# KiCad board 5wy19_converted.kicad_pcb (continued)
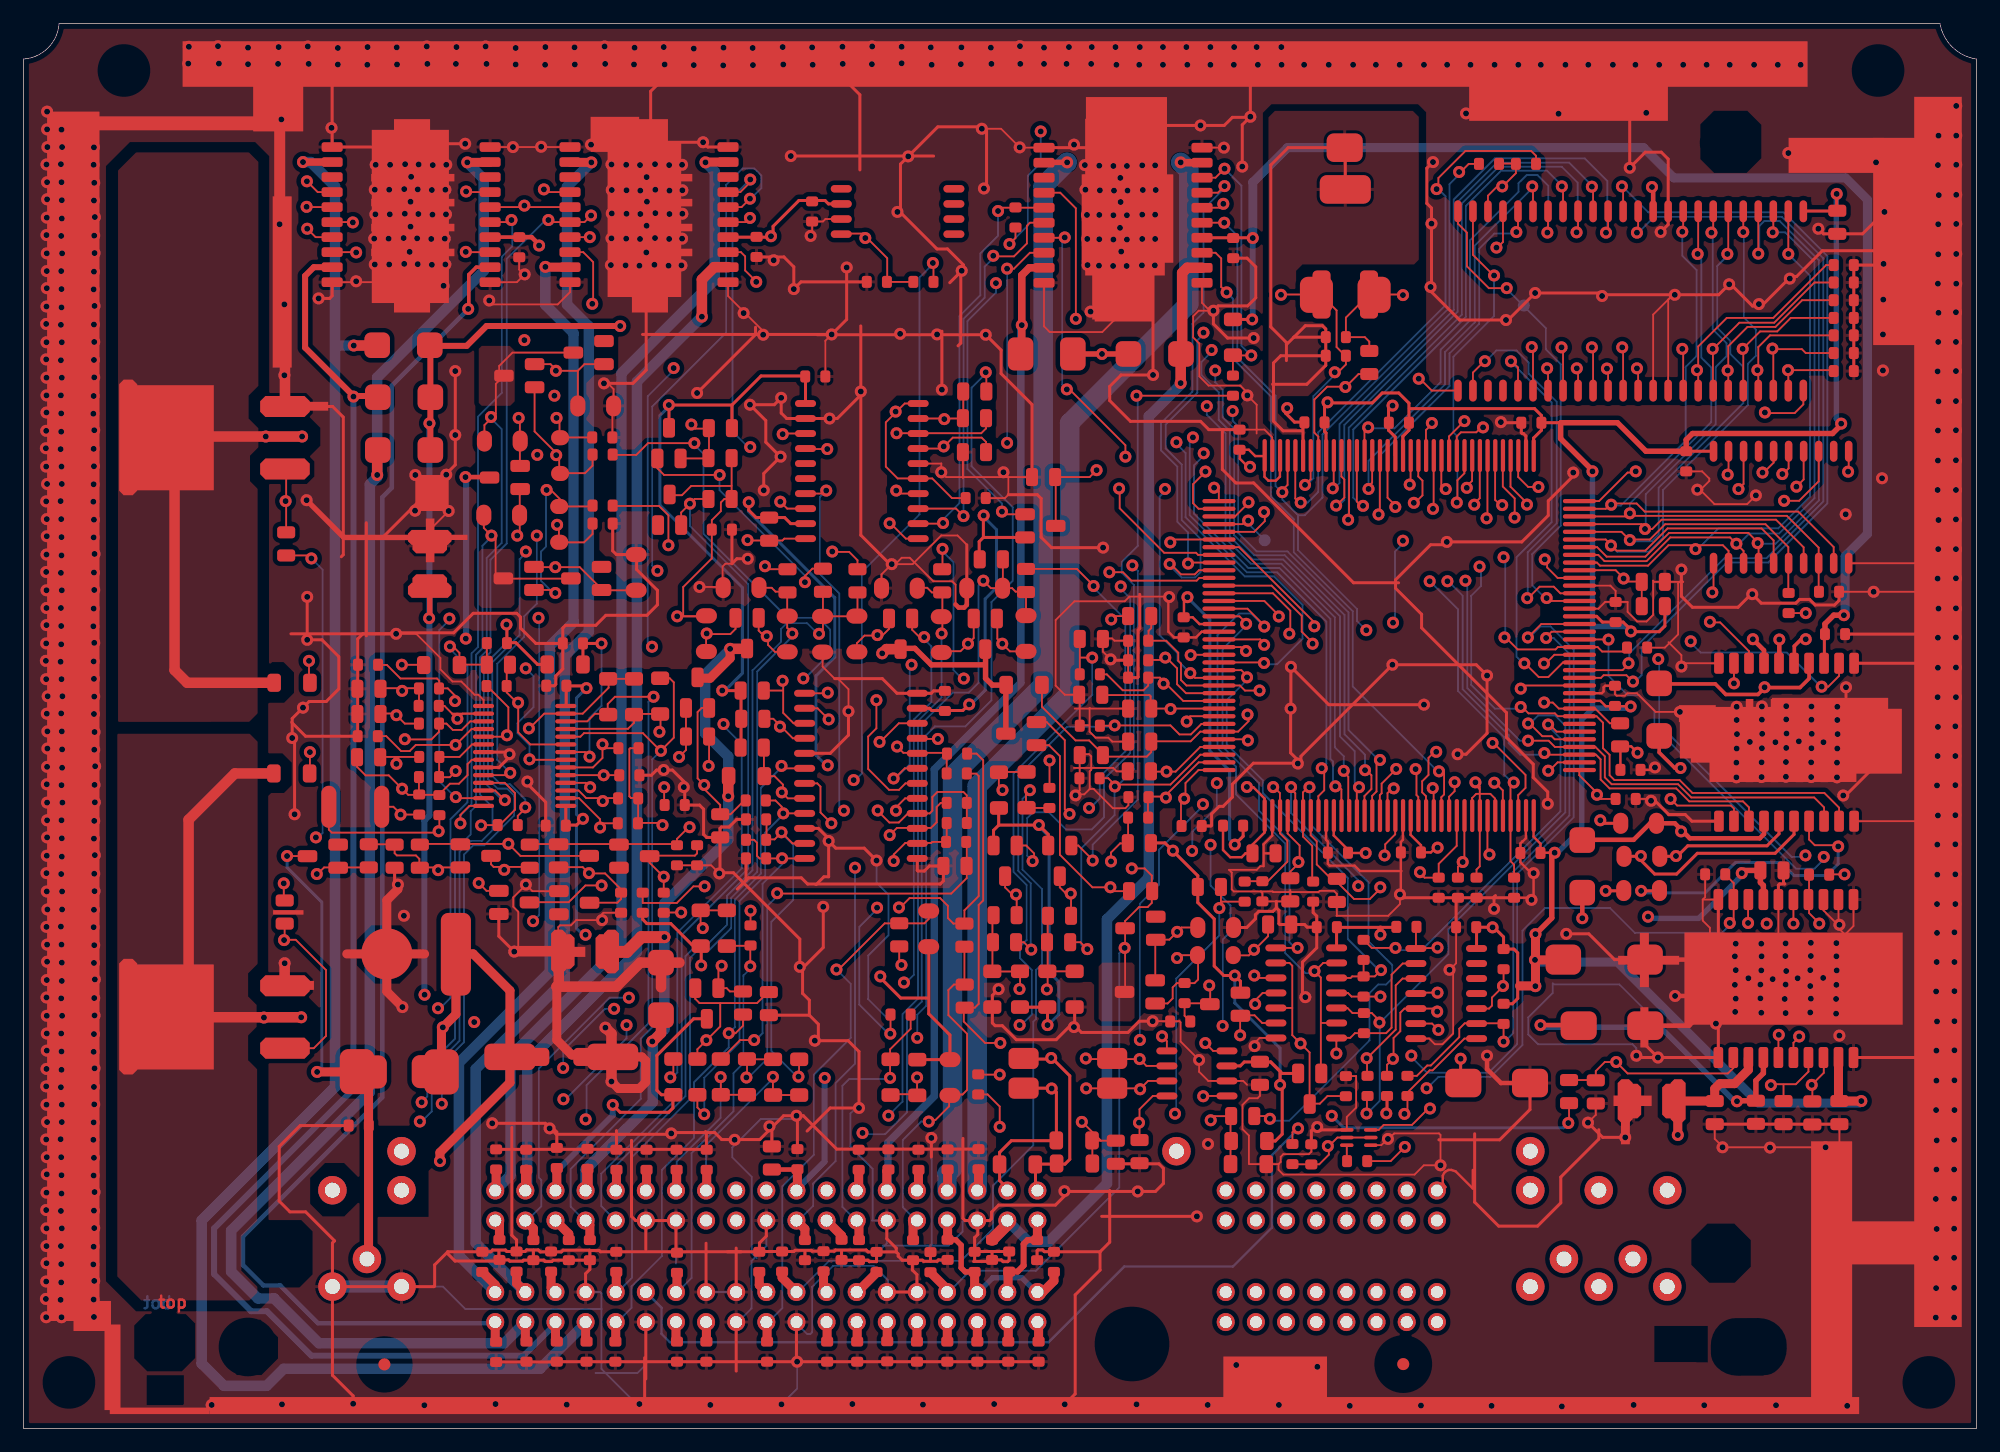
[diagram p0: board, top side]
## Routing (per net, layer and track width the routed paths; a pad name or vN(x,y) marks a point on that pad's centre or on a via; arc(x,y) is an arc through that point) (continued)
(no net): length 7.4
  TopLayer w0.152: v1(24.79,46.89) 24.85,46.89 25.41,47.45 29.18,47.45
  TopLayer w0.762: 52.67,21.87 52.67,20.18 ; 62.2,13.23 62.2,12.13
75HCT574 CLOCK: length 61.8
  TopLayer w0.152: IC3.11 154.33,80.98 v1(154.28,80.92) ; 101.07,76.49 103.08,76.49 103.38,76.78
  MidLayer2 w0.254: 103.38,76.78 103.81,76.35 109.86,76.35 110.39,75.82 114.68,75.82 115.57,76.71 122.2,76.71 123.09,75.82 129.26,75.82 133.27,79.83 139.45,79.83 141.96,82.35 152.83,82.35 154.25,80.92 v1(154.28,80.92)
  BottomLayer w0.152: v1(103.55,76.79) 103.55,76.54 104.94,75.14 NOREF#2.2
AC COMP IN: length 40
  TopLayer w0.152: 77.46,72.53 77.7,72.77 v1(77.7,74.4) ; C25.1 95.12,65 96.82,65 97.54,64.29 97.54,62.94 98.29,62.19 101.07,62.19
  MidLayer2 w0.254: 79.3,63.47 79.83,62.94 93.75,62.94 96.01,65.2 96.39,65.2
  BottomLayer w0.152: v1(79.5,63.42) 79.35,63.42 78.62,64.15 78.62,73.26 77.7,74.18 v1(77.7,74.4)
  vias: v1(96.54,65.2)
AC Comp Out: length 130
  TopLayer w0.305: v1(150.7,66.75) 150.32,66.75 149.73,66.17 149.73,64.74
  TopLayer w0.762: C127.1 73.02,8.96 J1.b27
  MidLayer2 w0.254: v1(150.7,66.75) 150.62,66.75 149.02,68.35 145.24,68.35 142.04,65.15 142.04,42.24 124.13,24.33 124.13,15.42 121.72,13 93.27,13 89.41,9.14 89.41,7.29 87.45,5.33 76.66,5.33 73.02,8.97 73.02,8.97
AC Comp Switch In: length 67.1
  TopLayer w0.152: R40.1 75.6,71.1 76.41,71.1 76.8,70.71 77.48,70.71 77.69,70.5 77.69,67.3 v1(77.62,67.23)
  TopLayer w0.762: 72.11,13.31 72.11,13.15 70.5,11.53 J1.b9
  MidLayer2 w0.254: 70.21,11.63 70.48,11.63 71.65,12.8 71.65,21.72 72.57,22.63 72.57,26.09 73,26.52 73,26.59
  BottomLayer w0.152: v1(77.62,67.23) 77.62,61.83 75.63,59.83 75.63,36.34 74.32,35.04 74.32,27.65 v1(73.13,26.45)
AC PRESS SW: length 76.7
  TopLayer w0.152: C44.2 133.4,53.24 v1(133.05,53.59) 133.05,53.75 131.55,55.25 131.55,55.69 ; R33.2 84.76,72.7 89.06,72.7 90.47,71.28 v1(90.47,71.25)
  MidLayer2 w0.254: 89.94,52.48 90.4,52.02 94.08,52.02 95.02,51.08 129.84,51.08 132.36,53.59 v1(133.05,53.59)
  BottomLayer w0.152: v1(90.09,52.48) 90.19,52.48 90.99,53.28 90.99,55.1 93.16,57.27 93.16,68.42 90.47,71.11 v1(90.47,71.25)
AC Press Switch In: length 78.1
  TopLayer w0.152: R45.2 R33.1 84.73,70.77 83.88,70.77 83.59,71.07 81.79,71.07 v1(81.15,71.7) ; R31.1 82.8,71.09 R39.1
  TopLayer w0.762: J1.b10 67.64,11.79 C114.2
  MidLayer2 w0.254: 67.92,11.51 67.92,11.66 69.09,12.83 69.09,20.9 70.84,22.66 70.84,25.07
  BottomLayer w0.152: v1(70.94,24.99) 71.04,24.88 72.84,24.88 74.7,26.74 74.7,34.84 75.94,36.09 75.94,59.61 78.57,62.23 79.91,62.23 80.75,63.07 80.75,71.3 v1(81.15,71.7)
AC REQUEST: length 92.5
  TopLayer w0.152: R36.1 62.94,72.67 v1(62.69,72.92) ; 125.73,54.46 125.73,47.98 126.03,47.68 C63.1 ; 125.73,54.46 125.91,54.64 ; 125.73,54.46 125.83,54.46 v1(126,54.63)
  MidLayer2 w0.254: v1(118.9,71.65) 118.41,72.14 108.79,72.14 108.18,72.75 101.37,72.75 97.51,76.61 85.27,76.61 83.52,74.85 79.65,74.85 78.03,73.23 76.02,73.23 73.99,75.26 64.72,75.26 62.51,73.05 62.51,72.85
  BottomLayer w0.152: v1(118.9,71.65) 118.92,71.65 121.29,69.28 121.29,62.37 125.2,58.47 125.2,55.29 125.86,54.63 v1(126,54.63)
AC Request Switch In: length 70.3
  TopLayer w0.152: v1(65,67.23) 65,67.28 64.57,67.72 64.57,70.48 64.27,70.77 63.58,70.77 63.25,71.1 62.2,71.1 R38.2
  TopLayer w0.762: J1.b17 50.11,11.58 C122.2
  BottomLayer w0.152: J1.b17 50.24,11.53 51.44,12.73 51.44,22.95 56.34,27.85 56.34,39.79 57.07,40.52 58.03,40.52 59.83,42.32 59.83,44.87 62.03,47.07 62.03,64.01 65,66.98 v1(65,67.23)
ATM46 PIN8: length 7.1
  TopLayer w0.152: IC9.8 64.62,53.29 64.21,53.7 64.21,54.45 63.49,55.17 R79.2 62.6,55.21 62.6,57.57 R71.2
  vias: v1(64.11,53.8)
ATM46 PIN9: length 34.1
  TopLayer w0.152: R138.1 56.97,27.15 57.54,26.58 ; IC9.9 v1(64.24,52.02) 64.1,52.15 64.1,52.58 63.57,53.11 C45.2
  BottomLayer w0.152: v1(64.24,52.02) 64.24,51.92 62.7,50.39 62.7,46.76 60.53,44.59 60.53,32.64 57.55,29.66 v1(57.55,26.57)
CAM POS: length 58.7
  TopLayer w0.152: R115.2 74.04,39.38 v1(74.23,39.19) ; 121.83,51.83 121.83,48.04 121.29,47.5 C65.1
  MidLayer2 w0.254: v1(121.69,47.9) 121.69,47.24 118.03,43.59 102.87,43.59 100.15,40.87 97.03,40.87 95.61,39.45 74.32,39.45 74.07,39.19
CAN High: length 15.6
  TopLayer w0.254: L1.4 86.98,28.78 87.33,28.43 87.33,24.51 87.15,24.33 83.52,24.33 82.53,23.34 82.53,20.96 83.18,20.31 J1.a7
  vias: v1(86.93,28.75)
CAN Low: length 16.9
  TopLayer w0.254: J1.a6 85.56,20.28 85.56,22.31 85.61,22.36 88.06,22.36 88.46,22.76 88.46,29.82 87.05,31.23 84.61,31.23 L1.3
  vias: v1(86.89,31.33)
CAN RXD: length 77.3
  TopLayer w0.152: v1(99.92,32.59) 100.58,31.93 IC11.4 ; 131.55,68.04 128.33,68.04 127.2,66.9 127.1,66.9
  MidLayer2 w0.254: 117.2,31.6 117.2,31.24 116.1,30.15 108.58,30.15 107.8,30.94 101.42,30.94 99.77,32.59
  BottomLayer w0.152: v1(117.35,31.53) 117.35,31.41 118.68,30.08 123.88,30.08 126.29,32.49 126.29,46.9 131.07,51.68 131.07,65.87 129.11,67.83 128.26,67.83 127.33,66.9 v1(127.2,66.9)
CAN TX OUT: length 29.9
  TopLayer w0.152: v1(99.75,28.09) 99.77,28.12 IC11.1 ; U1.8 121.83,32.97 119.15,30.28 118.89,30.28 117.02,28.41 R144.1 117.02,26.92 116.76,26.67
  MidLayer2 w0.254: 99.8,28.04 110.62,28.04 112.98,25.68 115.67,25.68 116.66,26.67 116.76,26.67
  vias: v1(116.76,26.6)
CAN TXD: length 52.6
  TopLayer w0.152: 128.68,66.85 129.21,67.39 131.55,67.39 ; R144.2 117.82,29.82 118.69,30.69 119,30.69 121.4,33.1 121.4,33.81 121.85,34.26 124.91,34.26 125.15,34.03 v1(125.15,32.72)
  BottomLayer w0.152: v1(125.15,32.72) 125.24,32.72 125.96,33.44 125.96,47.09 130.71,51.84 130.71,65.52 129.38,66.86 v1(128.74,66.86)
CCV Out: length 130.2
  TopLayer w0.508: IC8.9 24.54,98.22 23.8,97.49 23.8,91.41 27.89,87.33 29.97,87.33
  TopLayer w0.762: J1.b38 44.97,7.45
  BottomLayer w0.508: J1.b38 44.97,8.85 42.27,6.14 24.34,6.14 20.57,9.91 19.24,9.91 16.11,13.04 16.11,16.92 27.89,28.7 v1(27.89,87.27)
CH1FB: length 8.6
  TopLayer w0.152: R16.1 81.38,84.58 80.97,84.18 v1(73.81,84.18)
CH1N: length 6
  TopLayer w0.152: R14.2 79.46,87.7 79.46,85.59 79.29,85.42 IC5.19
  vias: v1(77.85,85.37)
CKP Sens Signal: length 30.7
  TopLayer w0.152: 76.45,26.09 77.1,26.09 78.26,27.24 78.26,28.1 78.4,28.24 79.39,28.24 79.78,28.63 79.78,33.37 78.2,34.95 78.2,37.08 78.66,37.54 79.5,37.54 79.55,37.59 R116.2
  TopLayer w0.762: J1.a29 75.21,17.25 C108.1
  BottomLayer w0.152: v1(76.54,25.95) 75.9,25.95 74.35,24.4 74.35,18.7 75.47,17.58 J1.a29
CMP Sens Signal: length 45.3
  TopLayer w0.152: R108.2 76.53,43.08 76.17,42.72 72.81,42.72 68.91,38.81 v1(68.73,38.81)
  TopLayer w0.762: C135.1 62.86,8.93 J1.b31
  BottomLayer w0.152: J1.b31 62.97,8.99 64.15,10.17 64.15,20.47 66.82,23.14 66.82,29.91 69.94,33.03 69.94,37.6 v1(68.73,38.81)
COOLANT TEMP: length 58.4
  TopLayer w0.152: C62.1 107.11,47.09 107.9,47.88 107.9,49.3 106.88,50.32 106.88,51.83 ; R133.1 73.3,33.4 v1(73.29,33.38)
  MidLayer2 w0.254: 71.98,44.07 72.03,44.07 73.05,45.09 74.7,45.09 75.69,44.09 93.35,44.09 94.67,45.42 98.09,45.42 99.59,46.91 106.81,46.91 v1(107.8,47.9)
  BottomLayer w0.152: v1(73.29,33.38) 73.13,33.38 70.66,35.85 70.66,42.42 72.17,43.92 v1(72.17,44.04)
Cooling Fan High Control: length 103.2
  TopLayer w0.254: IC4.6 149.71,50.24 148.11,48.64 141.53,48.64 139.78,46.89 137.92,46.89 136.75,48.06 v1(136.75,48.41) 136.73,48.39 R97.1
  TopLayer w0.762: C129.1 83.26,8.91 J1.b23
  MidLayer2 w0.254: 83.2,8.97 84.42,7.75 86.33,7.75 87.05,8.46 87.05,10.19 92.2,15.34 120.5,15.34 121.74,16.59 121.74,25.3 139.14,42.7 139.14,46 136.75,48.39 v1(136.75,48.41)
Cooling Fan Low Control: length 100.1
  TopLayer w0.254: IC4.5 148.44,50.29 147.42,49.28 140.72,49.28 139.83,48.39 R97.2
  TopLayer w0.762: C130.1 80.64,8.98 J1.b24
  MidLayer2 w0.254: 80.66,8.97 80.66,8.93 82.42,7.16 86.64,7.16 87.66,8.18 87.66,9.96 92.48,14.78 120.75,14.78 122.35,16.38 122.35,25.07 139.73,42.44 v1(139.73,48.41)
CRANK POS: length 101.3
  TopLayer w0.152: 122.48,51.83 122.48,53.32 122.83,53.67 124.03,53.67 124.43,53.27 124.43,51.83 ; 123.13,54.06 122.58,54.61 ; 123.13,54.06 123.13,47.54 122.86,47.27 C64.1 ; 123.13,54.06 123.13,54.28 v1(122.76,54.64) ; v1(82.59,32.6) 81.31,32.6 79.5,34.41 79.5,35.51 R129.2 80.43,35.59 80.76,35.91 80.76,44.27 81.14,44.65 81.14,56.52 80.58,57.07 R73.1
  MidLayer2 w0.254: 99.57,52.78 100.08,52.27 120.27,52.27 122.58,54.58 122.58,54.61 ; 94.26,32.84 82.7,32.84 82.45,32.59
  BottomLayer w0.152: v1(99.72,52.79) 99.72,52.66 96.01,48.94 96.01,45.99 94.39,44.37 v1(94.39,32.85)
CVVT OCV Output: length 88.5
  TopLayer w0.635: 84.4,90.98 84.4,97.54 85.04,98.17 IC6.9
  TopLayer w0.762: C95.1 72.99,21.76 J1.a11
  BottomLayer w0.635: J1.a11 73.09,20.21 73.09,24.18 77,28.09 77,55.73 84.33,63.06 84.33,93.24 v1(84.4,93.32)
DR: length 6.2
  TopLayer w0.152: IC7.7 150.93,30.18 149.86,29.11 147.83,29.11 v1(147.75,29.03) ; 148.82,29.08 C84.1
DRV1 CH1 EN: length 40
  TopLayer w0.152: v1(101.55,105.08) 100.99,104.52 IC6.17 ; 101.07,73.24 98.46,73.24 98.37,73.15
  BottomLayer w0.152: v1(101.55,105.08) 101.55,104.91 99.78,103.14 99.78,94.39 98.84,93.44 98.84,87.7 96.18,85.04 96.18,82.72 97.56,81.35 97.56,76.69 98.47,75.78 v1(98.47,73.16)
DRV1 CH2 EN: length 54.8
  TopLayer w0.152: IC6.4 87.66,104.52 88.98,103.2 v1(88.98,93.85) ; 96.8,73.1 97,73.1 97.87,72.24 99.03,72.24 99.38,72.59 101.07,72.59
  MidLayer2 w0.254: 88.8,93.8 89.33,93.27 98.96,93.27 99.54,92.68 99.62,92.68
  BottomLayer w0.152: v1(96.91,73.11) 96.91,72.99 97.93,71.97 99.06,71.97 99.52,72.44 99.52,75.24 97.93,76.83 97.93,81.52 96.58,82.88 96.58,84.92 99.25,87.59 99.25,92.03 99.77,92.55 v1(99.77,92.68)
DRV1 CH3 EN: length 57.2
  TopLayer w0.152: 119.88,51.83 119.88,53.38 120.12,53.62 120.12,55.4 119.91,55.6 119.58,55.6 ; v1(101.73,96.09) 101.27,96.55 101.27,98.96 100.79,99.44 IC6.13
  BottomLayer w0.152: v1(119.68,55.58) 119.57,55.58 112.39,62.75 112.39,69.12 107.41,74.11 107.41,76.9 105.47,78.84 105.47,87.27 102.25,90.49 102.25,95.56 v1(101.73,96.09)
DRV1 CH4 EN: length 63.6
  TopLayer w0.152: 101.07,64.79 104.76,64.79 104.8,64.74 ; IC6.8 85.09,99.44 83.74,98.09 v1(83.16,98.09)
  MidLayer2 w0.254: 97.31,83.39 96.85,83.85 83.49,83.85 82.98,83.34
  BottomLayer w0.152: v1(97.48,83.41) 97.48,83.27 98.25,82.5 98.25,77.07 103.26,72.06 105.75,72.06 108.15,69.66 108.15,66.79 105.99,64.64 105,64.64 v1(104.89,64.74) ; v1(83.16,83.36) 83.16,98.09 v1(83.16,98.09)
DRV2 CH1 EN: length 112.5
  TopLayer w0.152: 101.07,66.74 104.56,66.74 104.77,66.52 104.77,66.27 ; v1(37.41,104.62) 37.47,104.57 IC8.17
  MidLayer2 w0.254: v1(37.41,104.62) 39.42,102.62 39.42,97.71 45.62,91.52 53.16,91.52 54.97,89.71 v1(54.97,89.69) ; v1(53.14,66.12) 54.1,66.12 55.55,64.67 60.17,64.67 60.27,64.57 73.18,64.57 74.17,63.58 77.04,63.58 78.66,65.2 83.24,65.2 85.09,67.06 90.04,67.06 90.98,66.12 92.96,66.12 93.78,66.93 104.11,66.93 104.77,66.27
  BottomLayer w0.152: v1(54.97,89.69) 54.97,89.49 52.78,87.3 52.78,66.48 v1(53.14,66.12)
  vias: v1(104.9,66.28)
DRV2 CH2 EN: length 124.2
  TopLayer w0.152: 101.07,66.09 102.93,66.09 103.23,65.79 ; v1(23.95,105.49) 24.87,104.57 IC8.4
  MidLayer2 w0.254: v1(23.95,105.49) 22.81,104.34 22.81,99.26 31.29,90.78 31.29,69.04 35.36,64.97 40.39,64.97 41.4,65.99 43.69,65.99 44.68,65 54.36,65 55.32,64.03 59.92,64.03 61.75,62.2 66.29,62.2 67.46,63.37 72.69,63.37 73.71,62.36 94.08,62.36 95.76,64.03 96.88,64.03 98.17,62.74 99.01,62.74 102.06,65.79 103.23,65.79
  vias: v1(103.37,65.76)
DRV2 CH3 EN: length 115.3
  TopLayer w0.152: 114.03,51.83 114.03,53.5 114.4,53.87 114.4,56.36 114.58,56.54 ; IC8.13 37.41,99.49 v1(37.39,99.52)
  MidLayer2 w0.254: v1(37.39,99.52) 37.39,98.83 45.26,90.96 51.84,90.96 54.18,88.62 55.65,88.62 56.62,89.59 78.61,89.59 82.52,85.67 99.19,85.67 99.47,85.39 101.32,85.39 102.06,86.13
  BottomLayer w0.152: v1(102.23,86.06) 102.23,85.23 102.7,84.76 102.7,75.75 104.27,74.18 106.87,74.18 112.03,69.02 112.03,59.08 114.57,56.54 v1(114.69,56.54)
DRV2 CH4 EN: length 119
  TopLayer w0.152: 28.09,99.49 IC8.8 ; 106.07,68.68 106.07,68.83 104.92,69.99 101.07,69.99
  MidLayer2 w0.254: 106.07,68.68 105.64,69.11 100.96,69.11 99.95,68.1 93.17,68.1 92.41,67.34 91.44,67.34 90.53,68.25 56.52,68.25 55.85,67.59 54.69,67.59 53.97,68.3 44.7,68.3 43.87,67.46 43.08,67.46 41.5,69.04 38,69.04 36.4,67.44 33.76,67.44 31.9,69.29 31.9,91.14 26.75,96.29 26.75,98.15 28.07,99.47 v1(28.12,99.47)
  vias: v1(106.14,68.68)
DRV3 CH1 EN: length 105.2
  TopLayer w0.152: IC10.17 60.6,104.57 61.44,105.41 v1(61.44,105.64) ; 111.43,51.83 111.43,54.05 111.18,54.31 110.72,54.31
  MidLayer2 w0.254: 61.21,83.06 63.22,81.05 75.87,81.05 76.81,81.99 83.54,81.99 84.81,83.26 95.58,83.26 96.55,82.3 99.49,82.3 99.67,82.47
  BottomLayer w0.152: v1(61.44,83.01) 61.26,83.01 59.94,84.32 59.94,104.14 61.44,105.64 v1(61.44,105.64) ; v1(110.92,54.31) 110.72,54.51 110.72,56.41 110.5,56.63 110.5,68.47 106.19,72.77 103.56,72.77 98.97,77.36 98.97,81.47 99.79,82.29 v1(99.79,82.48)
DRV3 CH2 EN: length 118
  TopLayer w0.152: 111.48,55.65 112.01,55.12 112.01,51.9 112.08,51.83 ; IC10.4 44.22,104.57 v1(43.99,104.8)
  MidLayer2 w0.254: 99.9,86.46 99.7,86.26 82.8,86.26 78.87,90.2 56.01,90.2 54.08,92.13 45.8,92.13 40.06,97.87 40.06,102.97 41.88,104.8 43.89,104.8
  BottomLayer w0.152: v1(100.05,86.46) 100.05,85.74 101.64,84.15 101.64,75.27 103.78,73.13 106.35,73.13 110.88,68.6 110.88,57.61 111.63,56.86 v1(111.63,55.62)
DRV3 CH3 EN: length 92.2
  TopLayer w0.152: IC10.13 60.66,99.49 61.01,99.14 61.01,97.94 61.95,97 v1(61.95,96.98) ; 112.73,51.83 112.73,54.12 112.95,54.34
  MidLayer2 w0.254: v1(100.46,91.21) 99.21,91.21 97.76,92.66 88.27,92.66 86,94.92 63.83,94.92 61.77,96.98
  BottomLayer w0.152: v1(112.92,54.23) 112.56,54.6 112.56,57.29 111.31,58.53 111.31,68.69 106.51,73.49 103.94,73.49 102,75.43 102,84.36 101.06,85.3 101.06,87.63 99.59,89.1 99.59,90.19 100.46,91.06 v1(100.46,91.21)
DRV3 CH4 EN: length 106.5
  TopLayer w0.152: 113.38,51.83 113.38,53.49 113.97,54.08 113.97,55.25 113.54,55.68 113.26,55.68 ; v1(48.08,95.12) 48.16,95.2 48.16,98.65 47.32,99.49 IC10.8
  MidLayer2 w0.254: v1(100.76,89.48) 100.05,89.48 97.46,92.08 87.93,92.08 85.67,94.34 63.5,94.34 62.26,95.58 48.46,95.58 47.96,95.07
  BottomLayer w0.152: v1(100.76,89.48) 100.76,88.49 101.4,87.85 101.4,85.52 102.36,84.55 102.36,75.55 104.05,73.85 106.65,73.85 111.69,68.81 111.69,58.71 113.43,56.97 v1(113.43,55.67)
ECT Sens Signal: length 24
  TopLayer w0.152: 73.27,29.74 73.27,32.06 75.01,33.8 R133.2
  TopLayer w0.762: J1.a31 70.64,17.38 C109.1
  BottomLayer w0.152: J1.a31 70.39,17.58 69.23,18.74 69.23,28.98 69.81,29.55 73.17,29.55 v1(73.27,29.65)
Engine Speed Out: length 112.3
  TopLayer w0.381: IC4.4 147.17,50.27 146.81,49.91 140.89,49.91 139.62,51.18 137.54,51.18 136.14,49.78 131.83,49.78
  TopLayer w0.762: J1.b25 78.11,8.97 C131.1
  MidLayer2 w0.254: v1(140.16,50.5) 140.79,49.86 140.79,42.6 122.94,24.74 122.94,16.05 121.03,14.15 92.68,14.15 88.21,9.68 88.21,7.85 86.92,6.55 80.52,6.55 78.11,8.96 78.11,8.97
FLASH A0: length 21.4
  TopLayer w0.152: 123.27,84.68 122.83,84.25 121.54,84.25 121.18,83.89 121.18,82.29 ; v1(136.42,89.66) 136.52,89.56 IC2.11
  MidLayer2 w0.254: v1(136.42,89.66) 136.4,89.66 132.97,86.23 124.36,86.23 123.27,85.14 123.27,84.68
  vias: v1(123.41,84.67)
FLASH A1: length 24.3
  TopLayer w0.152: v1(135.18,91.44) 135.25,91.36 IC2.10 ; 120.53,82.29 120.53,83.9 121.74,85.12 121.74,85.19
  MidLayer2 w0.254: v1(135.18,91.44) 135.18,89.38 132.59,86.79 123.32,86.79 121.74,85.22 121.74,85.19
  vias: v1(121.83,85.2)
FLASH A2: length 26.1
  TopLayer w0.152: IC2.9 133.99,89.51 133.86,89.64 ; 119.88,82.29 119.88,79.71 120.14,79.45
  MidLayer2 w0.254: 120.14,79.45 120.62,79.93 120.62,85.62 122.4,87.4 131.55,87.4 133.78,89.64 133.86,89.64
  vias: v1(120.26,79.45) v1(133.89,89.64)
FLASH A3: length 32.9
  TopLayer w0.152: IC2.8 132.71,91.34 v1(132.61,91.44) ; 119.23,82.29 119.23,77.93 119.08,77.77
  MidLayer2 w0.254: 119.08,77.77 119.08,80.01 120.04,80.98 120.04,85.95 122.1,88.01 131.29,88.01 132.61,89.33 v1(132.61,91.44)
  vias: v1(119.18,77.78)
FLASH A4: length 19.5
  TopLayer w0.152: IC2.7 131.44,89.54 131.32,89.66 ; 118.58,82.29 118.58,84.44 118.95,84.81 118.95,85.04
  MidLayer2 w0.254: 118.95,85.04 118.95,85.67 121.87,88.6 130.23,88.6 131.29,89.66 131.32,89.66
  vias: v1(119.08,85.04) v1(131.34,89.67)
FLASH A5: length 33.1
  TopLayer w0.152: 117.42,78.31 117.68,78.31 118.29,78.92 118.29,80.16 117.93,80.52 117.93,82.29 ; v1(130.05,91.44) 130.18,91.31 IC2.6
  MidLayer2 w0.254: 117.42,78.31 117.07,78.31 116,79.38 116,80.47 117.35,81.81 117.35,85.83 122.91,91.39 126.03,91.39 127.08,90.35 127.86,90.35 128.96,91.44 v1(130.05,91.44)
  vias: v1(117.56,78.29)
FLASH A6: length 23.1
  TopLayer w0.152: 117.28,82.29 117.28,79.99 117.12,79.83 ; IC2.5 128.9,89.54 128.78,89.66
  MidLayer2 w0.254: 117.12,79.83 117.91,80.62 117.91,85.55 121.59,89.23 128.35,89.23 128.78,89.66
  vias: v1(117.21,79.83) v1(128.83,89.67)
FLASH A7: length 30.7
  TopLayer w0.152: 115.33,82.29 115.33,78.72 115.87,78.18 115.87,77.93 ; 127.43,91.47 127.64,91.26 IC2.4
  MidLayer2 w0.254: 115.87,77.93 115.32,78.49 115.32,80.52 116.74,81.94 116.74,86.03 122.73,92.02 126.87,92.02 127.43,91.47
  vias: v1(115.99,77.94) v1(127.53,91.46)
FLASH A8: length 36.6
  TopLayer w0.152: 126.16,101.19 126.36,101.4 IC2.42 ; 114.68,82.29 114.68,77.5 114.48,77.29
  BottomLayer w0.152: v1(114.57,77.3) 114.67,77.4 114.67,82.27 120.57,88.17 120.57,90.92 123.08,93.43 123.08,99.78 124.36,101.06 126.1,101.06 v1(126.23,101.19)
FLASH A9: length 36.5
  TopLayer w0.152: 113.54,79.5 114.03,80 114.03,82.29 ; IC2.41 127.64,104.93 127.51,105.05
  BottomLayer w0.152: v1(113.73,79.46) 113.73,81.84 120.19,88.31 120.19,91.04 122.71,93.56 122.71,100.05 127.57,104.91 v1(127.57,105.05)
FLASH A10: length 38.8
  TopLayer w0.152: 113.38,82.29 113.38,84.48 113.59,84.68 ; IC2.40 128.9,101.27 128.78,101.14
  BottomLayer w0.152: v1(128.85,101.15) 128.92,101.22 128.92,105.11 128.01,106.02 127.1,106.02 126.41,105.32 126.41,104.6 122.31,100.5 122.31,93.73 119.82,91.25 119.82,88.49 115.92,84.59 113.78,84.59 v1(113.69,84.67)
FLASH A11: length 46.3
  TopLayer w0.152: 112.73,82.29 112.73,78.4 113.11,78.03 ; v1(130.07,105.05) 130.18,104.95 IC2.39
  BottomLayer w0.152: v1(130.07,105.05) 130.07,105.13 128.82,106.39 124.94,106.39 121.96,103.4 121.96,94.01 112.43,84.48 112.43,78.73 113.12,78.03 v1(113.26,78.03)
FLASH A12: length 54
  TopLayer w0.152: 131.44,102.95 131.44,101.3 v1(131.32,101.17) ; 112.08,82.29 112.08,77.03 111.89,76.84
  BottomLayer w0.152: v1(112,76.86) 112.05,76.91 112.05,84.64 121.62,94.21 121.62,103.6 124.73,106.71 130.07,106.71 131.41,105.37 131.41,101.26 v1(131.32,101.17)
FLASH A13: length 50.6
  TopLayer w0.152: v1(132.61,105.03) 132.71,104.93 IC2.37 ; 110.87,78.03 110.97,78.03 111.68,78.74 111.68,80.26 111.43,80.52 111.43,82.29
  BottomLayer w0.152: v1(132.61,105.03) 132.61,105.13 130.68,107.06 124.59,107.06 121.26,103.74 121.26,94.45 111.67,84.87 111.67,78.52 111.21,78.06 v1(110.99,78.06)
FLASH A14: length 53.1
  TopLayer w0.152: 110.78,82.29 110.78,79.72 110.62,79.55 ; v1(133.81,101.14) 133.99,101.32 IC2.36
  BottomLayer w0.152: v1(133.81,101.14) 133.92,101.26 133.92,105.51 132,107.42 124.41,107.42 120.93,103.95 120.93,94.61 111.28,84.95 111.28,79.97 110.83,79.52 v1(110.7,79.52)
FLASH A15: length 71.8
  TopLayer w0.152: IC2.35 135.25,104.95 v1(135.15,105.05) ; 131.55,63.49 133.39,63.49 133.6,63.7 135.53,63.7 136.07,63.17
  BottomLayer w0.152: v1(136.09,63.17) 136.28,63.17 136.82,63.7 136.82,66.04 144.02,73.24 147.53,73.24 152.53,78.24 152.53,99.16 148.82,102.86 137.39,102.86 135.2,105.05 v1(135.15,105.05)
FLASH A16: length 67.2
  TopLayer w0.152: 135.69,64.72 135.69,64.62 135.2,64.14 131.55,64.14 ; IC2.34 136.52,101.24 v1(136.42,101.14)
  BottomLayer w0.152: v1(135.71,64.72) 135.78,64.79 135.78,65.56 143.84,73.61 147.39,73.61 152.19,78.4 152.19,98.97 148.67,102.48 137.89,102.48 136.55,101.14 v1(136.42,101.14)
FLASH A17: length 37.1
  TopLayer w0.152: 125.68,90.25 125.86,90.25 126.36,89.74 IC2.3 ; 126.85,64.72 126.95,64.72 128.12,63.55 128.93,63.55 130.16,64.79 131.55,64.79
  BottomLayer w0.152: v1(126.9,64.71) 126.81,64.71 126.25,65.27 126.25,73.68 129.21,76.65 129.21,86.78 125.77,90.22 v1(125.77,90.26)
FLASH D8: length 23.5
  TopLayer w0.152: v1(147.24,85.93) 147.29,85.88 149.76,85.88 150.5,86.61 IC2.22 ; v1(136.32,80.95) 136.22,80.85 135.64,80.85 133.22,78.44 131.55,78.44
  MidLayer2 w0.254: v1(147.24,85.93) 144.75,85.93 139.78,80.95 v1(136.32,80.95)
FLASH D9: length 34.7
  TopLayer w0.152: R13.1 152.98,89.51 v1(149.2,89.51) 149.23,89.48 IC2.21 ; v1(128.09,79.63) 127.23,79.63 126.38,80.48 126.38,82.29
  MidLayer2 w0.254: v1(128.09,79.63) 130.45,81.99 139.95,81.99 144.48,86.51 146.2,86.51 v1(149.2,89.51)
FLASH D10: length 42.7
  TopLayer w0.152: 127.03,78.13 127.03,78.36 125.73,79.65 125.73,82.29 ; IC2.20 147.95,91.26 v1(147.88,91.34) 147.93,91.29 150.37,91.29 150.7,90.96 R11.1
  MidLayer2 w0.254: 127.03,78.13 127.03,80.7 128.9,82.58 139.75,82.58 144.27,87.1 145.82,87.1 147.88,89.15 v1(147.88,91.34)
  vias: v1(127.13,78.14)
FLASH D11: length 44.1
  TopLayer w0.152: 125.98,76.99 126.09,77.09 126.09,78.66 125.08,79.67 125.08,82.29 ; IC2.19 146.69,91.47 147.68,92.46 R8.1
  MidLayer2 w0.254: v1(146.61,89.51) 144.81,87.71 143.92,87.71 139.37,83.16 128.63,83.16 125.98,80.52 125.98,76.99
  vias: v1(126.08,77.04)
FLASH D12: length 45.5
  TopLayer w0.152: 124.43,82.29 124.43,78.54 124.93,78.04 125.24,78.04 ; IC2.18 145.42,91.36 146.84,92.79 148.29,92.79 149.43,93.93 R6.1
  MidLayer2 w0.254: 124.89,78.08 124.89,80.26 128.42,83.79 139.24,83.79 143.74,88.29 144.45,88.29 145.36,89.2 v1(145.36,91.31)
  vias: v1(125.03,78.1)
FLASH D13: length 47.1
  TopLayer w0.152: IC2.17 144.14,91.54 145.77,93.17 148.13,93.17 150.39,95.43 R5.1 ; 123.78,82.29 123.78,77.15 123.6,76.96
  MidLayer2 w0.254: v1(144.09,89.48) 138.96,84.35 127.99,84.35 123.6,79.96 123.6,76.96
  vias: v1(123.71,76.98)
FLASH D14: length 48.3
  TopLayer w0.152: R4.1 151.43,96.93 148.03,93.52 145.08,93.52 142.85,91.29 142.85,87.81 IC2.16 ; 122.58,78.13 123.13,78.68 123.13,82.29
  MidLayer2 w0.254: 122.58,78.13 122.99,78.54 122.99,80.19 127.79,84.99 138.58,84.99 142.82,89.23 v1(142.82,91.31)
  vias: v1(122.67,78.13)
FLASH D15: length 44.9
  TopLayer w0.152: 122.48,82.29 122.48,80.14 121.92,79.58 ; IC2.15 141.61,91.52 144.02,93.93 147.95,93.93 152.43,98.4 R3.1
  MidLayer2 w0.254: v1(141.5,89.51) 137.59,85.6 127.51,85.6 121.92,80.01 121.92,79.58
  vias: v1(122.03,79.56)
FLASH OE: length 50.9
  TopLayer w0.152: v1(140.26,91.31) 140.33,91.24 IC2.14 ; 101.07,78.44 101.07,79.27 100.81,79.53 100.48,79.53
  MidLayer2 w0.254: v1(140.26,91.31) 138.89,92.68 118.59,92.68 107.49,81.58 106.27,81.58 104.22,79.53 100.48,79.53
  vias: v1(100.67,79.57)
FLASH WE: length 42.3
  TopLayer w0.152: IC2.43 125.1,100.36 124.64,99.9 124.43,99.9 ; 99.77,80.92 99.77,80.75 98.88,79.86 98.88,78.26 99.35,77.79 101.07,77.79
  MidLayer2 w0.254: 124.43,99.9 124.43,99.39 107.26,82.22 106.02,82.22 103.94,80.14 101.57,80.14 100.79,80.92 99.77,80.92
  vias: v1(99.94,80.93) v1(124.54,99.88)
FTPS: length 8.9
  TopLayer w0.152: R86.1 95.07,51.69 95.07,53.34 95.17,53.44 96.47,53.44 99.36,56.34 101.07,56.34
  vias: v1(96.59,53.35)
FTPS Signal: length 60.8
  TopLayer w0.152: R86.2 93.4,49.67 93.21,49.48 92.72,49.48 91.95,48.71 v1(91.95,47.96)
  TopLayer w0.762: J1.a33 66.07,16.86 C110.1
  MidLayer2 w0.254: 70.15,47.42 70.66,46.91 90.8,46.91 91.8,47.9 91.8,47.98
  BottomLayer w0.152: 65.43,17.49 66.76,18.82 66.76,20.7 68.66,22.61 68.66,29.21 70.3,30.85 v1(70.3,47.43)
Fuel Consumption Out: length 103.3
  TopLayer w0.152: Q8.3 46.26,71.87 40.16,71.87 39.91,72.13 39.91,75.17 38.91,76.16 R26.1
  TopLayer w0.762: J1.b34 55.16,7.43
  MidLayer2 w0.254: J1.b34 55.02,8.99 53.14,7.11 39.55,7.11 37.29,9.37 37.29,23.93 33.66,27.56 v1(33.66,27.58)
  BottomLayer w0.152: v1(33.66,27.58) 34.13,28.06 34.13,30.61 36.48,32.96 36.48,48.92 37.8,50.24 37.8,52.19 38.25,52.63 38.25,65.43 38.8,65.98 38.8,74.66 39.56,75.42 v1(39.56,75.52)